# Altium PCB Copy of drac_v3.PcbDoc (part 3 of 5)
Units mm, origin at the board's own origin, x right, y up, seen from the top; angles counter-clockwise.
Board outline 160 x 214.5 mm, 6 copper layers (Top Layer, Mid Layer 1, Mid Layer 2, Mid Layer 3, Mid Layer 4, Bottom Layer), stack 1.597 mm thick; 433 components, 257 nets, 1445 pads, 774 vias.
Unrouted connection lines stored in the file: 474.
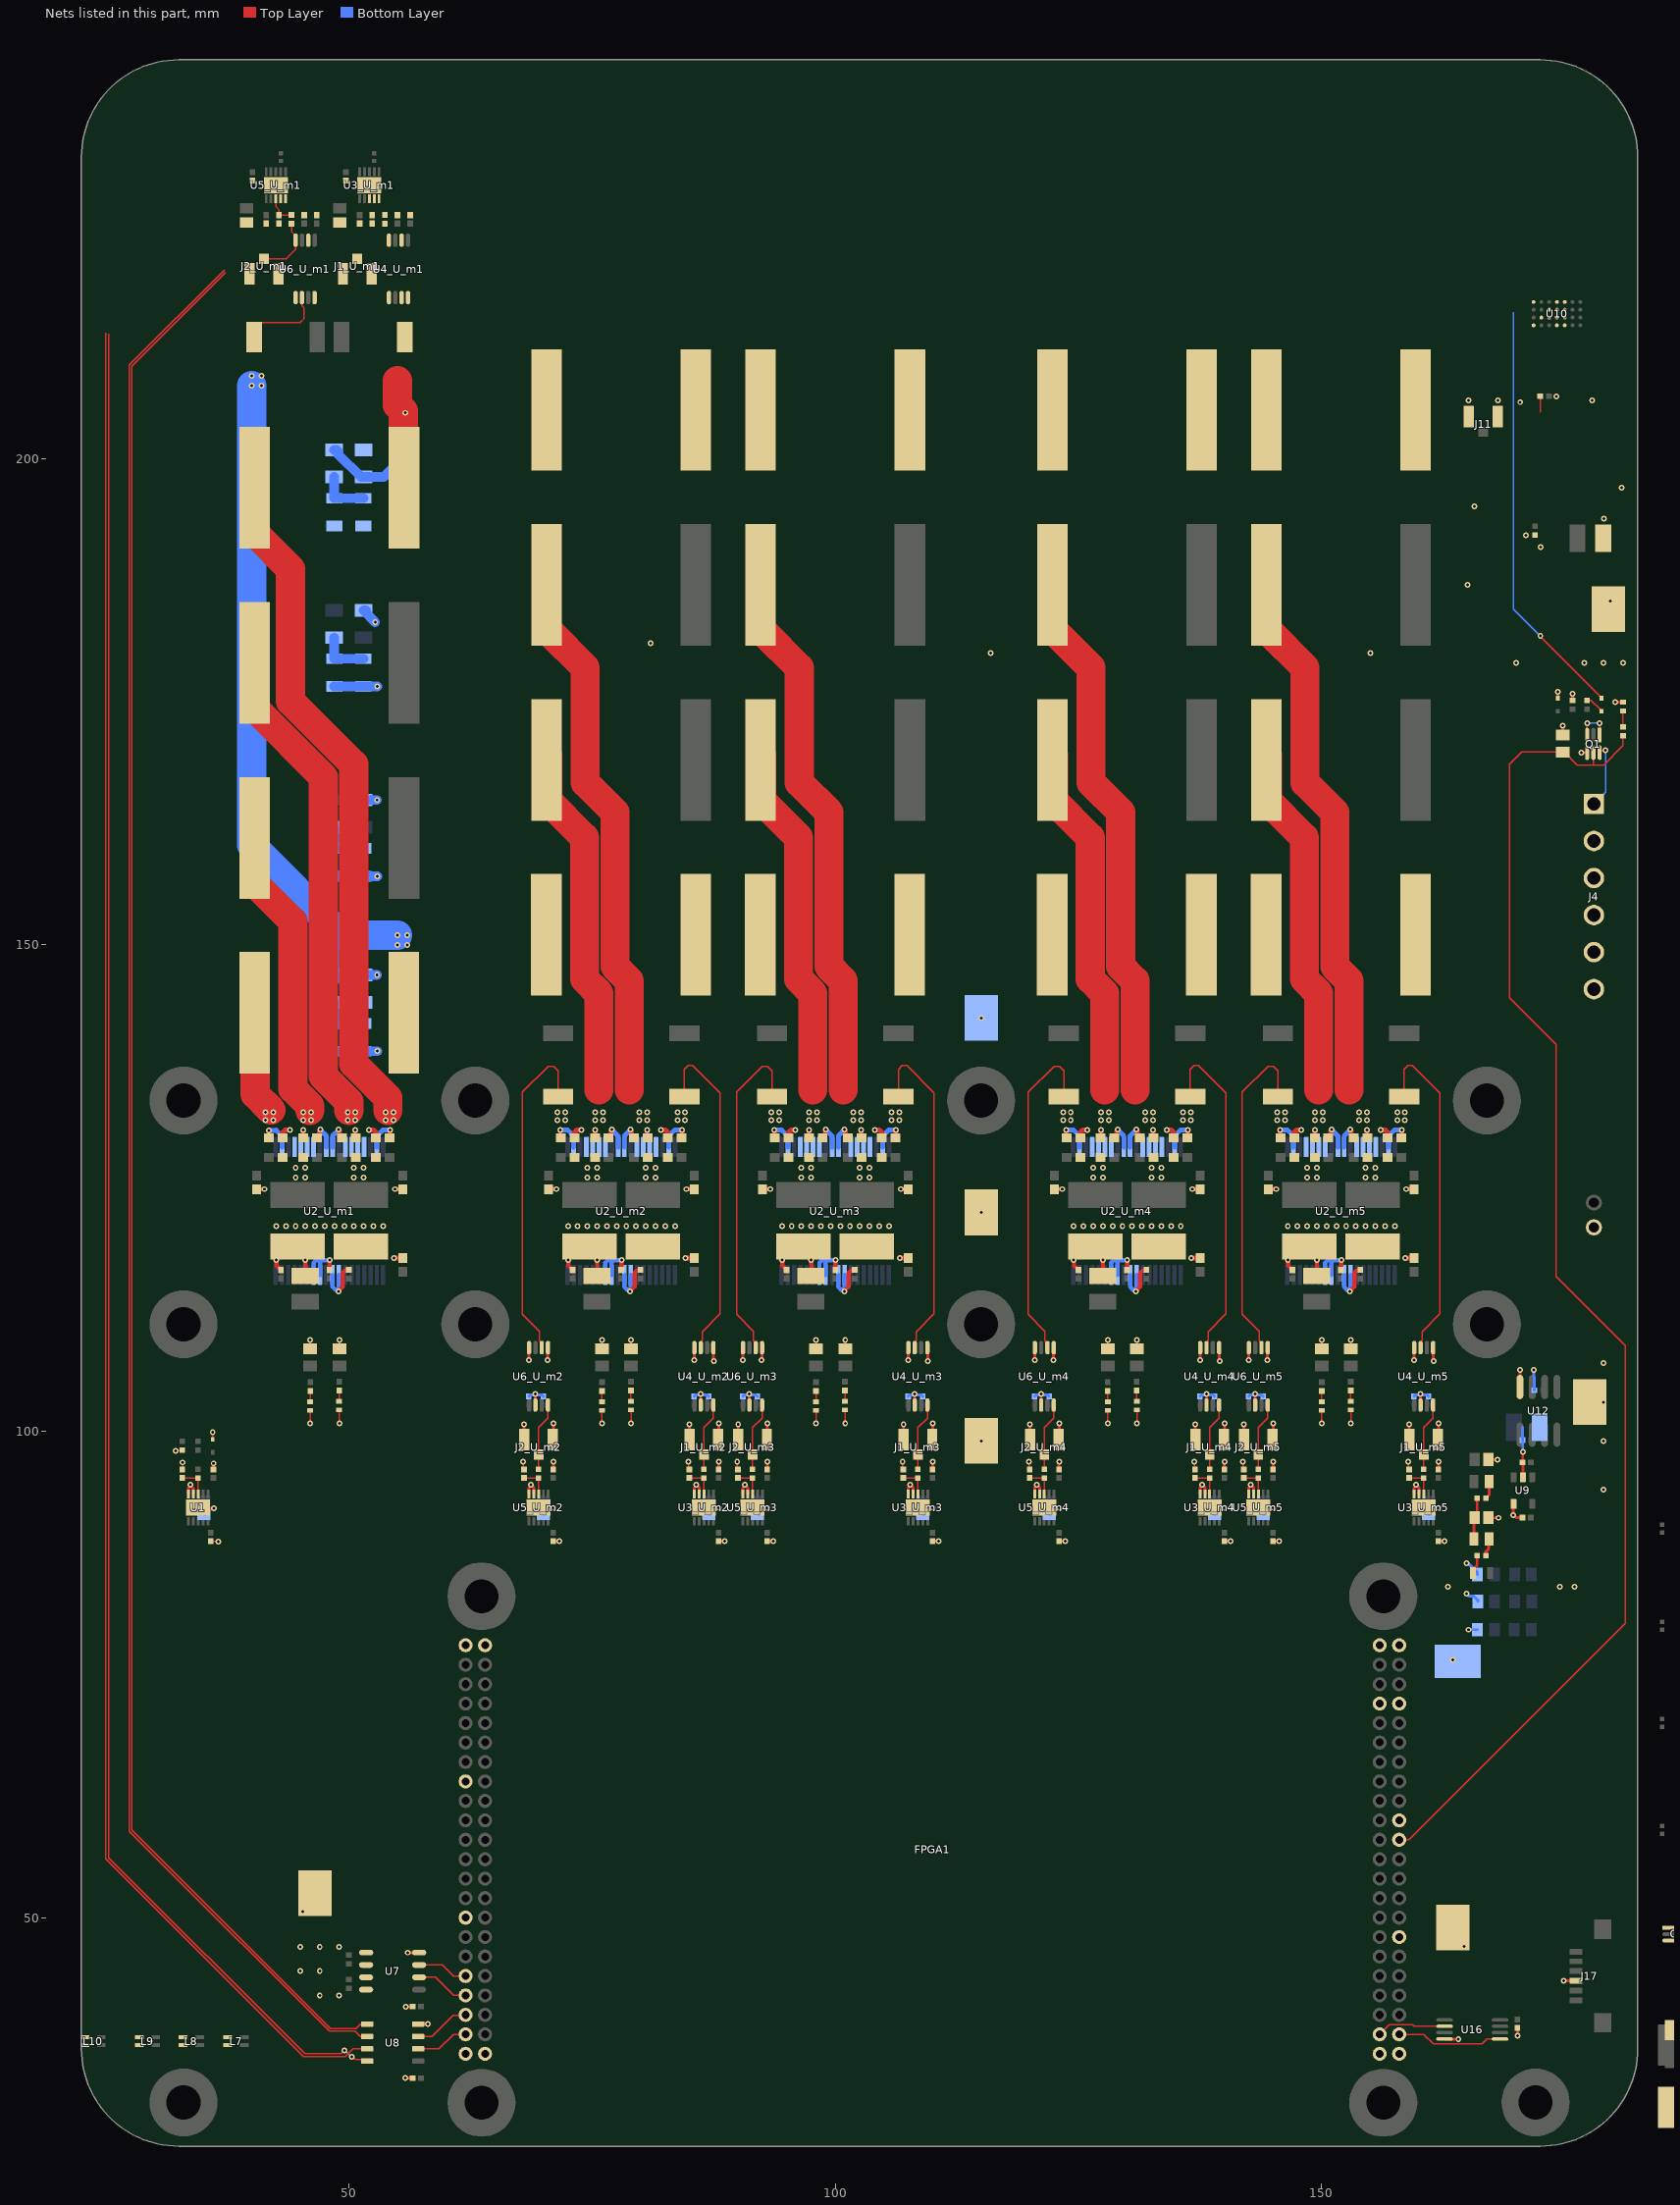
[diagram p5: the nets of this part, all layers, seen from the top]

## Via types
v1: diameter 0.6, hole 0.3, Top Layer to Bottom Layer, 774 vias

## Nets (pads, with @x,y where several pads share a name; then routed paths per layer and width w, separated by ;. In a path a pad name is that pad's centre, name@x,y a point inside that pad or via, vN(x,y) a via of type N, cw(c..) or ccw(c..) an arc to the next point about the centre after c; other vN are vias at no path point) (continued)
GND: C1.2 C2.2 C3.2 C4.2 C9_U_m1.2 C9_U_m2.2 C9_U_m3.2 C9_U_m4.2 C9_U_m5.2 C10_U_m1.2 C10_U_m2.2 C10_U_m3.2 C10_U_m4.2 C10_U_m5.2 C11_U_m1.2 C11_U_m2.2 C11_U_m3.2 C11_U_m4.2 C11_U_m5.2 C12_U_m1.2 C12_U_m2.2 C12_U_m3.2 C12_U_m4.2 C12_U_m5.2 C13_U_m1.2 C13_U_m2.2 C13_U_m3.2 C13_U_m4.2 C13_U_m5.2 C14_U_m1.2 C14_U_m2.2 C14_U_m3.2 C14_U_m4.2 C14_U_m5.2 C15_U_m1.2 C15_U_m2.2 C15_U_m3.2 C15_U_m4.2 C15_U_m5.2 C16_U_m1.2 C16_U_m2.2 C16_U_m3.2 C16_U_m4.2 C16_U_m5.2 C17_U_m1.2 C17_U_m2.2 C17_U_m3.2 C17_U_m4.2 C17_U_m5.2 C18_U_m1.2 C18_U_m2.2 C18_U_m3.2 C18_U_m4.2 C18_U_m5.2 C19_U_m1.2 C19_U_m2.2 C19_U_m3.2 C19_U_m4.2 C19_U_m5.2 C20_U_m1.2 C20_U_m2.2 C20_U_m3.2 C20_U_m4.2 C20_U_m5.2 C21_U_m1.2 C21_U_m2.2 C21_U_m3.2 C21_U_m4.2 C21_U_m5.2 C22_U_m1.2 C22_U_m2.2 C22_U_m3.2 C22_U_m4.2 C22_U_m5.2 C23_U_m1.2 C23_U_m2.2 C23_U_m3.2 C23_U_m4.2 C23_U_m5.2 C24_U_m1.2 C24_U_m2.2 C24_U_m3.2 C24_U_m4.2 C24_U_m5.2 C25_U_m1.2 C25_U_m2.2 C25_U_m3.2 C25_U_m4.2 C25_U_m5.2 C26_U_m1.2 C26_U_m2.2 C26_U_m3.2 C26_U_m4.2 C26_U_m5.2 C27.2 C28_U_m1.1 C28_U_m2.1 C28_U_m3.1 C28_U_m4.1 C28_U_m5.1 C29_U_m1.2 C29_U_m2.2 C29_U_m3.2 C29_U_m4.2 C29_U_m5.2 C30_U_m1.2 C30_U_m2.2 C30_U_m3.2 C30_U_m4.2 C30_U_m5.2 C31_U_m1.2 C31_U_m2.2 C31_U_m3.2 C31_U_m4.2 C31_U_m5.2 C32_U_m1.2 C32_U_m2.2 C32_U_m3.2 C32_U_m4.2 C32_U_m5.2 C33_U_m1.2 C33_U_m2.2 C33_U_m3.2 C33_U_m4.2 C33_U_m5.2 C34_U_m1.2 C34_U_m2.2 C34_U_m3.2 C34_U_m4.2 C34_U_m5.2 C35.1 C36.1 C37.2 C38.2 C39_U_m1.1 C39_U_m2.1 C39_U_m3.1 C39_U_m4.1 C39_U_m5.1 C40.1 C41.1 C42_U_m1.1 C42_U_m2.1 C42_U_m3.1 C42_U_m4.1 C42_U_m5.1 C43_U_m1.1 C43_U_m2.1 C43_U_m3.1 C43_U_m4.1 C43_U_m5.1 C47.1 C49.1 C50.2 C53.2 D1_U_m1.2 D1_U_m2.2 D1_U_m3.2 D1_U_m4.2 D1_U_m5.2 D2_U_m1.2 D2_U_m2.2 D2_U_m3.2 D2_U_m4.2 D2_U_m5.2 D3.2 D5.2 D6.2 D9.2 D10.2 D12.1 D13.1 D14.1 D15.1 FPGA1.1 FPGA1.2 FPGA1.14 FPGA1.26 FPGA1.37 FPGA1.38 FPGA1.43 FPGA1.44 FPGA1.45 FPGA1.46 FPGA1.59 FPGA1.73 FPGA1.87 FPGA1.88 J1_U_m1.1 J1_U_m1.3 J1_U_m2.1 J1_U_m2.3 J1_U_m3.1 J1_U_m3.3 J1_U_m4.1 J1_U_m4.3 J1_U_m5.1 J1_U_m5.3 J2_U_m1.1 J2_U_m1.3 J2_U_m2.1 J2_U_m2.3 J2_U_m3.1 J2_U_m3.3 J2_U_m4.1 J2_U_m4.3 J2_U_m5.1 J2_U_m5.3 J3.M1 J3.M2 J4.2 J4.3 J4.4 J5.2 J6.1 J6.3 J7.1 J7.3 J8.1 J8.3 J9.1 J9.3 J10.1 J10.3 J11.1 J11.3 J16.26 J16.M1 J16.M2 J17.3 P1.4 P1.9 Q1.4 Q2.1 Q3.4 R4_U_m1.2 R4_U_m2.2 R4_U_m3.2 R4_U_m4.2 R4_U_m5.2 R5_U_m1.1 R5_U_m2.1 R5_U_m3.1 R5_U_m4.1 R5_U_m5.1 R6_U_m1.1 R6_U_m2.1 R6_U_m3.1 R6_U_m4.1 R6_U_m5.1 R16.1 R17_U_m1.2 R17_U_m2.2 R17_U_m3.2 R17_U_m4.2 R17_U_m5.2 R18_U_m1.2 R18_U_m2.2 R18_U_m3.2 R18_U_m4.2 R18_U_m5.2 R19_U_m1.2 R19_U_m2.2 R19_U_m3.2 R19_U_m4.2 R19_U_m5.2 R20_U_m1.2 R20_U_m2.2 R20_U_m3.2 R20_U_m4.2 R20_U_m5.2 R21.1 R22.2 R24_U_m1.2 R24_U_m2.2 R24_U_m3.2 R24_U_m4.2 R24_U_m5.2 R25_U_m1.2 R25_U_m2.2 R25_U_m3.2 R25_U_m4.2 R25_U_m5.2 R26_U_m1.2 R26_U_m2.2 R26_U_m3.2 R26_U_m4.2 R26_U_m5.2 R27_U_m1.2 R27_U_m2.2 R27_U_m3.2 R27_U_m4.2 R27_U_m5.2 R29.1 R30.1 R34.1 R35.1 R36.1 R38.1 TP1.1 TP2.1 TP3.1 TP4.1 TP5.1 TP6.1 TP7.1 TP8.1 TP9.1 U1.4 U1.5 U1.11 U2_U_m1.8 U2_U_m1.9 U2_U_m1.11 U2_U_m1.12 U2_U_m1.23 U2_U_m1.24 U2_U_m1.31 U2_U_m1.32 U2_U_m2.8 U2_U_m2.9 U2_U_m2.11 U2_U_m2.12 U2_U_m2.23 U2_U_m2.24 U2_U_m2.31 U2_U_m2.32 U2_U_m3.8 U2_U_m3.9 U2_U_m3.11 U2_U_m3.12 U2_U_m3.23 U2_U_m3.24 U2_U_m3.31 U2_U_m3.32 U2_U_m4.8 U2_U_m4.9 U2_U_m4.11 U2_U_m4.12 U2_U_m4.23 U2_U_m4.24 U2_U_m4.31 U2_U_m4.32 U2_U_m5.8 U2_U_m5.9 U2_U_m5.11 U2_U_m5.12 U2_U_m5.23 U2_U_m5.24 U2_U_m5.31 U2_U_m5.32 U3_U_m1.4 U3_U_m1.5 U3_U_m1.11 U3_U_m2.4 U3_U_m2.5 U3_U_m2.11 U3_U_m3.4 U3_U_m3.5 U3_U_m3.11 U3_U_m4.4 U3_U_m4.5 U3_U_m4.11 U3_U_m5.4 U3_U_m5.5 U3_U_m5.11 U4_U_m1.1 U4_U_m1.4 U4_U_m1.6 U4_U_m2.1 U4_U_m2.4 U4_U_m2.6 U4_U_m3.1 U4_U_m3.4 U4_U_m3.6 U4_U_m4.1 U4_U_m4.4 U4_U_m4.6 U4_U_m5.1 U4_U_m5.4 U4_U_m5.6 U5_U_m1.4 U5_U_m1.5 U5_U_m1.11 U5_U_m2.4 U5_U_m2.5 U5_U_m2.11 U5_U_m3.4 U5_U_m3.5 U5_U_m3.11 U5_U_m4.4 U5_U_m4.5 U5_U_m4.11 U5_U_m5.4 U5_U_m5.5 U5_U_m5.11 U6_U_m1.1 U6_U_m1.4 U6_U_m1.6 U6_U_m2.1 U6_U_m2.4 U6_U_m2.6 U6_U_m3.1 U6_U_m3.4 U6_U_m3.6 U6_U_m4.1 U6_U_m4.4 U6_U_m4.6 U6_U_m5.1 U6_U_m5.4 U6_U_m5.6 U7.4 U8.4 U9.2 U9.4 U10.A1 U10.A4 U10.B2 U10.C2 U10.C3 U10.D1 U10.D2 U10.D3 U10.D4 U10.E1 U10.E2 U10.E3 U10.E4 U12.4 U15.3 U16.4 | length 319.4
  Top Layer w0.127: 172.474,204.799 172.479,204.804 R21.1@172.479,206.407
  Top Layer w0.147: J10.3@14.341,87.855 14.358,87.871 v1(14.358,89.477) ; J9.3@14.341,93.855 14.358,93.871 v1(14.358,95.477) ; J8.3@14.341,99.855 14.358,99.871 v1(14.358,101.477) ; J7.3@14.341,116.355 14.358,116.371 v1(14.358,117.977) ; J6.3@14.341,122.355 14.358,122.371 v1(14.358,123.977) ; J10.1@17.291,87.855 17.358,87.921 v1(17.358,89.477) ; J9.1@17.291,93.855 17.358,93.921 v1(17.358,95.477) ; J8.1@17.291,99.855 17.358,99.921 v1(17.358,101.477) ; J7.1@17.291,116.355 17.358,116.421 v1(17.358,117.977) ; J6.1@17.291,122.355 17.358,122.421 v1(17.358,123.977) ; v1(32.2,98) 32.819,98 R16.1@32.866,98.048 ; C3.2@32.866,96.077 32.9,96.11 v1(32.9,96.8) ; C1.2@35.8,88.702 35.827,88.675 v1(36.575,88.675) ; D9.2@36,99.16 v1(36,99.9) ; v1(46.025,100.798) D2_U_m1.2@46.025,102.148 ; R6_U_m1.1@46.025,108.474 v1(46.025,109.398) ; D1_U_m1.2@49,102.198 49.025,102.173 v1(49.025,100.798) ; R5_U_m1.1@49.025,108.474 v1(49.025,109.398) ; v1(67.925,96.898) 67.925,96.152 C32_U_m2.2@68,96.077 ; v1(76.025,100.798) D2_U_m2.2@76.025,102.148 ; R6_U_m2.1@76.025,108.474 v1(76.025,109.398) ; D1_U_m2.2@79,102.198 79.025,102.173 v1(79.025,100.798) ; R5_U_m2.1@79.025,108.474 v1(79.025,109.398) ; v1(84.925,96.898) 84.925,96.152 C13_U_m2.2@85,96.077 ; v1(89.925,96.898) 89.925,96.152 C32_U_m3.2@90,96.077 ; v1(98.025,100.798) D2_U_m3.2@98.025,102.148 ; R6_U_m3.1@98.025,108.474 v1(98.025,109.398) ; D1_U_m3.2@101,102.198 101.025,102.173 v1(101.025,100.798) ; R5_U_m3.1@101.025,108.474 v1(101.025,109.398) ; v1(106.925,96.898) 106.925,96.152 C13_U_m3.2@107,96.077 ; v1(119.925,96.898) 119.925,96.152 C32_U_m4.2@120,96.077 ; v1(128.025,100.798) D2_U_m4.2@128.025,102.148 ; R6_U_m4.1@128.025,108.474 v1(128.025,109.398) ; D1_U_m4.2@131,102.198 131.025,102.173 v1(131.025,100.798) ; R5_U_m4.1@131.025,108.474 v1(131.025,109.398) ; v1(136.925,96.898) 136.925,96.152 C13_U_m4.2@137,96.077 ; v1(141.925,96.898) 141.925,96.152 C32_U_m5.2@142,96.077 ; v1(150.025,100.798) D2_U_m5.2@150.025,102.148 ; R6_U_m5.1@150.025,108.474 v1(150.025,109.398) ; D1_U_m5.2@153,102.198 153.025,102.173 v1(153.025,100.798) ; R5_U_m5.1@153.025,108.474 v1(153.025,109.398) ; v1(158.925,96.898) 158.925,96.152 C13_U_m5.2@159,96.077
  Top Layer w0.3: U1.5@33.5,93.551 33.5,94.219 ; v1(33.7,94.5) 33.7,94.419 34,94.119 U1.4@34,93.551 ; U1.11@34.5,92.148 34.561,92.087 v1(36.117,92.087) ; C2.2@36.072,96.077 36.086,96.091 36.086,96.686 v1(36.1,96.7) ; v1(55.8,33.5) C36.1@56.571,33.5 ; v1(55.843,40.843) C35.1@56.571,40.843 ; v1(56.045,46.405) U7.4@57.225,46.405 ; U8.4@57.125,39.048 v1(58.127,39.048) ; J2_U_m2.1@68.025,99.148 v1(68.025,100.698) ; U5_U_m2.5@68.5,93.551 68.5,94.192 68.725,94.417 v1(68.725,94.498) 69,94.223 U5_U_m2.4@69,93.551 ; v1(68.525,107.298) U6_U_m2.4@68.525,108.598 ; v1(69.172,103.851) 69.173,103.85 69.173,102.7 U6_U_m2.6@69.175,102.698 ; U5_U_m2.11@69.5,92.148 69.533,92.115 v1(71.037,92.115) ; v1(70.425,107.298) 70.45,107.323 70.45,108.573 U6_U_m2.1@70.475,108.598 ; J2_U_m2.3@70.975,99.148 71.025,99.198 v1(71.025,100.798) ; C30_U_m2.2@71,88.702 71.002,88.7 71.623,88.7 v1(71.625,88.698) ; C31_U_m2.2@71,96.077 71.012,96.089 71.012,96.886 v1(71.025,96.898) ; J1_U_m2.1@85.025,99.148 v1(85.025,100.698) ; U3_U_m2.5@85.5,93.551 85.5,94.192 85.725,94.417 v1(85.725,94.498) 86,94.223 U3_U_m2.4@86,93.551 ; v1(85.525,107.298) U4_U_m2.4@85.525,108.598 ; v1(86.172,103.851) 86.173,103.85 86.173,102.7 U4_U_m2.6@86.175,102.698 ; U3_U_m2.11@86.5,92.148 86.526,92.123 v1(88.042,92.123) ; U4_U_m2.1@87.475,108.598 87.5,108.573 87.5,107.223 v1(87.525,107.198) ; J1_U_m2.3@87.975,99.148 88.025,99.198 v1(88.025,100.798) ; C11_U_m2.2@88,88.702 88.002,88.7 88.623,88.7 v1(88.625,88.698) ; C12_U_m2.2@88,96.077 88.012,96.089 88.012,96.886 v1(88.025,96.898) ; J2_U_m3.1@90.025,99.148 v1(90.025,100.698) ; U5_U_m3.5@90.5,93.551 90.5,94.192 90.725,94.417 v1(90.725,94.498) 91,94.223 U5_U_m3.4@91,93.551 ; v1(90.525,107.298) U6_U_m3.4@90.525,108.598 ; v1(91.172,103.851) 91.173,103.85 91.173,102.7 U6_U_m3.6@91.175,102.698 ; U5_U_m3.11@91.5,92.148 91.533,92.115 v1(93.037,92.115) ; v1(92.425,107.298) 92.45,107.323 92.45,108.573 U6_U_m3.1@92.475,108.598 ; J2_U_m3.3@92.975,99.148 93.025,99.198 v1(93.025,100.798) ; C30_U_m3.2@93,88.702 93.002,88.7 v1(93.625,88.698) v1(93.625,88.698) ; C31_U_m3.2@93,96.077 93.013,96.089 93.013,96.886 v1(93.025,96.898) ; J1_U_m3.1@107.025,99.148 v1(107.025,100.698) ; U3_U_m3.5@107.5,93.551 107.5,94.192 107.725,94.417 v1(107.725,94.498) 108,94.223 U3_U_m3.4@108,93.551 ; v1(107.525,107.298) U4_U_m3.4@107.525,108.598 ; v1(108.172,103.851) 108.173,103.85 108.173,102.7 U4_U_m3.6@108.175,102.698 ; U3_U_m3.11@108.5,92.148 108.526,92.123 v1(110.042,92.123) ; U4_U_m3.1@109.475,108.598 109.5,108.573 109.5,107.223 v1(109.525,107.198) ; J1_U_m3.3@109.975,99.148 110.025,99.198 v1(110.025,100.798) ; C11_U_m3.2@110,88.702 110.002,88.7 110.623,88.7 v1(110.625,88.698) ; C12_U_m3.2@110,96.077 110.013,96.089 110.013,96.886 v1(110.025,96.898) ; J2_U_m4.1@120.025,99.148 v1(120.025,100.698) ; U5_U_m4.5@120.5,93.551 120.5,94.192 120.725,94.417 v1(120.725,94.498) 121,94.223 U5_U_m4.4@121,93.551 ; v1(120.525,107.298) U6_U_m4.4@120.525,108.598 ; v1(121.172,103.851) 121.173,103.85 121.173,102.7 U6_U_m4.6@121.175,102.698 ; U5_U_m4.11@121.5,92.148 121.533,92.115 v1(123.037,92.115) ; v1(122.425,107.298) 122.45,107.323 122.45,108.573 U6_U_m4.1@122.475,108.598 ; J2_U_m4.3@122.975,99.148 123.025,99.198 v1(123.025,100.798) ; C30_U_m4.2@123,88.702 123.002,88.7 v1(123.625,88.698) v1(123.625,88.698) ; C31_U_m4.2@123,96.077 123.012,96.089 123.012,96.886 v1(123.025,96.898) ; J1_U_m4.1@137.025,99.148 v1(137.025,100.698) ; U3_U_m4.5@137.5,93.551 137.5,94.192 137.725,94.417 v1(137.725,94.498) 138,94.223 U3_U_m4.4@138,93.551 ; v1(137.525,107.298) U4_U_m4.4@137.525,108.598 ; v1(138.172,103.851) 138.173,103.85 138.173,102.7 U4_U_m4.6@138.175,102.698 ; U3_U_m4.11@138.5,92.148 138.526,92.123 v1(140.042,92.123) ; U4_U_m4.1@139.475,108.598 139.5,108.573 139.5,107.223 v1(139.525,107.198) ; J1_U_m4.3@139.975,99.148 140.025,99.198 v1(140.025,100.798) ; C11_U_m4.2@140,88.702 140.002,88.7 140.623,88.7 v1(140.625,88.698) ; C12_U_m4.2@140,96.077 140.012,96.089 140.012,96.886 v1(140.025,96.898) ; J2_U_m5.1@142.025,99.148 v1(142.025,100.698) ; U5_U_m5.5@142.5,93.551 142.5,94.192 142.725,94.417 v1(142.725,94.498) 143,94.223 U5_U_m5.4@143,93.551 ; v1(142.525,107.298) U6_U_m5.4@142.525,108.598 ; v1(143.172,103.851) v1(143.172,103.851) 143.173,102.7 U6_U_m5.6@143.175,102.698 ; U5_U_m5.11@143.5,92.148 143.533,92.115 v1(145.037,92.115) ; v1(144.425,107.298) 144.45,107.323 144.45,108.573 U6_U_m5.1@144.475,108.598 ; J2_U_m5.3@144.975,99.148 145.025,99.198 v1(145.025,100.798) ; C30_U_m5.2@145,88.702 145.002,88.7 145.623,88.7 v1(145.625,88.698) ; C31_U_m5.2@145,96.077 145.013,96.089 145.013,96.886 v1(145.025,96.898) ; J1_U_m5.1@159.025,99.148 v1(159.025,100.698) ; U3_U_m5.5@159.5,93.551 159.5,94.192 159.725,94.417 v1(159.725,94.498) 160,94.223 U3_U_m5.4@160,93.551 ; v1(159.525,107.298) U4_U_m5.4@159.525,108.598 ; v1(160.172,103.851) v1(160.172,103.851) 160.173,102.7 U4_U_m5.6@160.175,102.698 ; U3_U_m5.11@160.5,92.148 160.526,92.123 v1(162.042,92.123) ; U4_U_m5.1@161.475,108.598 161.5,108.573 161.5,107.223 v1(161.525,107.198) ; J1_U_m5.3@161.975,99.148 162.025,99.198 v1(162.025,100.798) ; C11_U_m5.2@162,88.702 162.002,88.7 162.623,88.7 v1(162.625,88.698) ; C12_U_m5.2@162,96.077 162.013,96.089 162.013,96.886 v1(162.025,96.898) ; U16.4@162.65,37.525 v1(164.075,37.525) ; v1@165.075,79.575 v1(165.1,79.6) ; C37.2@167.173,91.125 167.198,91.1 v1(168.2,91.1) ; C38.2@167.173,97.124 167.196,97.1 v1(168.1,97.1) ; v1(167.8,293.2) 167.994,293.006 167.994,292.606 168.05,292.55 Q2.1@168.599,292.55 ; U9.4@169.75,92.525 169.725,92.5 169.725,91.425 v1(169.7,91.4) 169.737,91.4 170.014,91.123 C41.1@170.671,91.123 ; v1(170.133,37.867) C53.2@170.133,38.664 ; R30.1@170.376,296.081 v1(171.344,296.081) ; U12.4@170.395,104.55 170.397,104.552 170.397,106.297 v1(170.4,106.3) ; C40.1@170.671,96.8 170.686,96.814 170.686,97.886 v1(170.7,97.9) ; U9.2@170.7,95.275 170.71,95.285 C40.1@170.71,96.8 ; D10.2@174.3,175.36 v1(174.3,176) ; R29.1@174.8,171.576 v1(174.8,172.525) ; v1(174.9,43.5) J17.3@176.15,43.5 ; R38.1@175.8,175.152 v1(175.8,175.8) ; v1(176.716,169.766) Q1.4@177.3,169.766 ; U15.3@179.35,296.67 v1(179.35,297.5) ; v1(180.2,174.95) D3.2@181,174.95
  Top Layer w0.45: v1(42.525,117.598) 42.554,117.569 42.554,117.044 43,116.598 C19_U_m1.2@43,116.577 ; C18_U_m1.2@45.5,115.973 45.525,115.998 v1(45.525,117.598) ; C9_U_m1.2@48,116.577 48.012,116.589 48.012,117.586 v1(48.025,117.598) ; v1@48.925,114.44 49.362,114.877 49.362,116.278 49.625,116.541 49.941,116.541 R4_U_m1.2@50,116.6 ; v1(72.525,117.598) 72.554,117.569 72.554,117.044 73,116.598 C19_U_m2.2@73,116.577 ; C18_U_m2.2@75.5,115.973 75.525,115.998 v1(75.525,117.598) ; C9_U_m2.2@78,116.577 78.012,116.589 78.012,117.586 v1(78.025,117.598) ; v1@78.925,114.44 79.362,114.877 79.362,116.278 79.625,116.541 79.941,116.541 R4_U_m2.2@80,116.6 ; v1(94.525,117.598) 94.554,117.569 94.554,117.044 95,116.598 C19_U_m3.2@95,116.577 ; C18_U_m3.2@97.5,115.973 97.525,115.998 v1(97.525,117.598) ; C9_U_m3.2@100,116.577 100.013,116.589 100.013,117.586 v1(100.025,117.598) ; v1@100.925,114.44 101.362,114.877 101.362,116.278 101.625,116.541 101.941,116.541 R4_U_m3.2@102,116.6 ; v1(124.525,117.598) 124.554,117.569 124.554,117.044 125,116.598 C19_U_m4.2@125,116.577 ; C18_U_m4.2@127.5,115.973 127.525,115.998 v1(127.525,117.598) ; C9_U_m4.2@130,116.577 130.012,116.589 130.012,117.586 v1(130.025,117.598) ; v1@130.925,114.44 131.362,114.877 131.362,116.278 131.625,116.541 131.941,116.541 R4_U_m4.2@132,116.6 ; v1(146.525,117.598) 146.554,117.569 146.554,117.044 147,116.598 C19_U_m5.2@147,116.577 ; C18_U_m5.2@149.5,115.973 149.525,115.998 v1(149.525,117.598) ; C9_U_m5.2@152,116.577 152.013,116.589 152.013,117.586 v1(152.025,117.598) ; v1@152.925,114.44 153.362,114.877 153.362,116.278 153.625,116.541 153.941,116.541 R4_U_m5.2@154,116.6
  Top Layer w0.5: C15_U_m1.2@40.525,124.896 C15_U_m1.2@40.525,124.896 41.324,124.897 v1(41.325,124.898) ; v1(54.625,117.798) 54.626,117.799 C17_U_m1.2@55.525,117.8 C17_U_m1.2@55.525,117.8 ; v1(54.726,124.897) C16_U_m1.2@55.525,124.896 ; C15_U_m2.2@70.525,124.896 C15_U_m2.2@70.525,124.896 71.324,124.897 v1(71.325,124.898) ; v1(84.625,117.798) 84.626,117.799 C17_U_m2.2@85.525,117.8 C17_U_m2.2@85.525,117.8 ; v1(84.726,124.897) C16_U_m2.2@85.525,124.896 C16_U_m2.2@85.525,124.896 ; C15_U_m3.2@92.525,124.896 92.526,124.897 v1(93.325,124.898) v1(93.325,124.898) ; v1(106.625,117.798) 106.626,117.799 107.524,117.799 C17_U_m3.2@107.525,117.8 ; v1(106.726,124.897) C16_U_m3.2@107.524,124.897 ; C15_U_m4.2@122.525,124.896 122.526,124.897 v1(123.325,124.898) v1(123.325,124.898) ; v1(136.625,117.798) 136.626,117.799 137.524,117.799 C17_U_m4.2@137.525,117.8 ; v1(136.726,124.897) C16_U_m4.2@137.524,124.897 ; C15_U_m5.2@144.525,124.896 C15_U_m5.2@144.525,124.896 145.324,124.897 v1(145.325,124.898) ; v1(158.625,117.798) 158.626,117.799 C17_U_m5.2@159.525,117.8 C17_U_m5.2@159.525,117.8 ; v1(158.726,124.897) C16_U_m5.2@159.525,124.896 ; C16_U_m1.2@55.525,124.896 C16_U_m1.2@55.525,124.896 ; C16_U_m3.2@107.524,124.897 C16_U_m3.2@107.525,124.896 ; C16_U_m4.2@137.524,124.897 C16_U_m4.2@137.525,124.896 ; C16_U_m5.2@159.525,124.896 C16_U_m5.2@159.525,124.896
  Bottom Layer w0.147: v1(143,316.2) D12.1@143,317.265 ; D13.1@152.858,317.265 152.9,317.223 v1(152.9,316.2) ; D14.1@158.085,317.265 158.1,317.25 v1(158.1,316.2) ; v1(163,316.2) D15.1@163,317.265
  Bottom Layer w0.3: C4.2@35.1,91.422 35.251,91.422 35.858,92.03 36.06,92.03 v1(36.117,92.087) ; v1@56,46.45 v1(56.045,46.405) ; v1(58.127,39.048) v1@58.15,39.025 ; C29_U_m2.2@68.5,103.577 68.5,103.598 68.636,103.734 68.974,103.734 69.091,103.851 v1(69.172,103.851) 69.253,103.851 69.37,103.734 69.864,103.734 70,103.598 C34_U_m2.2@70,103.577 ; C33_U_m2.2@70,91.422 70.151,91.422 70.786,92.058 70.98,92.058 v1(71.037,92.115) ; C10_U_m2.2@85.5,103.577 85.5,103.598 85.636,103.734 85.974,103.734 86.091,103.851 v1(86.172,103.851) 86.253,103.851 86.37,103.734 86.864,103.734 87,103.598 C20_U_m2.2@87,103.577 ; C14_U_m2.2@87,91.422 87.151,91.422 87.794,92.065 87.984,92.065 v1(88.042,92.123) ; C29_U_m3.2@90.5,103.577 90.5,103.598 90.636,103.734 90.974,103.734 91.091,103.851 v1(91.172,103.851) 91.253,103.851 91.37,103.734 91.864,103.734 92,103.598 C34_U_m3.2@92,103.577 ; C33_U_m3.2@92,91.422 92.151,91.422 92.786,92.058 92.98,92.058 v1(93.037,92.115) ; C10_U_m3.2@107.5,103.577 107.5,103.598 107.636,103.734 107.974,103.734 108.091,103.851 v1(108.172,103.851) 108.253,103.851 108.37,103.734 108.864,103.734 109,103.598 C20_U_m3.2@109,103.577 ; C14_U_m3.2@109,91.422 109.151,91.422 109.794,92.065 109.984,92.065 v1(110.042,92.123) ; C29_U_m4.2@120.5,103.577 120.5,103.598 120.636,103.734 120.974,103.734 121.091,103.851 v1(121.172,103.851) 121.253,103.851 121.37,103.734 121.864,103.734 122,103.598 C34_U_m4.2@122,103.577 ; C33_U_m4.2@122,91.422 122.151,91.422 122.786,92.058 122.98,92.058 v1(123.037,92.115) ; C10_U_m4.2@137.5,103.577 137.5,103.598 137.636,103.734 137.974,103.734 138.091,103.851 v1(138.172,103.851) 138.253,103.851 138.37,103.734 138.864,103.734 139,103.598 C20_U_m4.2@139,103.577 ; C14_U_m4.2@139,91.422 139.151,91.422 139.794,92.065 139.984,92.065 v1(140.042,92.123) ; C29_U_m5.2@142.5,103.577 142.5,103.598 142.636,103.734 142.974,103.734 143.091,103.851 v1(143.172,103.851) 143.253,103.851 143.37,103.734 143.864,103.734 144,103.598 C34_U_m5.2@144,103.577 ; C33_U_m5.2@144,91.422 144.151,91.422 144.786,92.058 144.98,92.058 v1(145.037,92.115) ; C10_U_m5.2@159.5,103.577 159.5,103.598 159.636,103.734 159.974,103.734 160.091,103.851 v1(160.172,103.851) 160.253,103.851 160.37,103.734 160.864,103.734 161,103.598 C20_U_m5.2@161,103.577 ; C14_U_m5.2@161,91.422 161.151,91.422 161.794,92.065 161.984,92.065 v1(162.042,92.123) ; v1(164.075,37.525) v1@164.1,37.5 ; v1(164.9,83.3) 165.146,83.054 165.652,83.054 166.055,82.651 R34.1@166.055,82.5 ; v1(164.925,86.45) 165.024,86.45 166.033,85.441 R35.1@166.033,85.29 ; v1(165.1,79.6) R36.1@166.024,79.6 ; v1@167.775,293.2 v1(167.8,293.2) ; v1(170.133,37.867) v1@170.25,37.75 ; 170.671,100.4 C49.1@170.671,99.098 170.686,99.084 170.686,97.914 v1(170.7,97.9) ; v1(171.344,296.081) v1@171.375,296.05 ; v1(171.8,106.3) 171.836,106.264 171.836,105.636 171.871,105.6 C47.1@171.871,104.2 ; v1(174.8,172.525) v1@174.825,172.55 ; v1@175.775,175.825 v1(175.8,175.8) ; v1@176.7,169.75 v1(176.716,169.766) ; v1(179.35,297.5) v1@179.425,297.575
  Bottom Layer w0.45: U2_U_m1.12@46.375,116.073 46.375,117.335 46.639,117.598 47.025,117.598 ; U2_U_m1.11@47.025,116.073 47.025,117.598 ; v1(48.025,117.598) 47.025,117.598 ; U2_U_m1.9@48.325,116.073 48.325,114.837 48.589,114.573 48.709,114.573 48.884,114.398 v1(48.925,114.398) 48.925,114.439 48.975,114.489 U2_U_m1.8@48.975,116.073 ; U2_U_m2.12@76.375,116.073 76.375,117.335 76.639,117.598 77.025,117.598 ; U2_U_m2.11@77.025,116.073 77.025,117.598 ; v1(78.025,117.598) 77.025,117.598 ; U2_U_m2.9@78.325,116.073 78.325,114.837 78.589,114.573 78.709,114.573 78.884,114.398 v1(78.925,114.398) 78.925,114.439 78.975,114.489 U2_U_m2.8@78.975,116.073 ; U2_U_m3.12@98.375,116.073 98.375,117.335 98.639,117.598 99.025,117.598 ; U2_U_m3.11@99.025,116.073 99.025,117.598 ; v1(100.025,117.598) 99.025,117.598 ; U2_U_m3.9@100.325,116.073 100.325,114.837 100.589,114.573 100.709,114.573 100.884,114.398 v1(100.925,114.398) 100.925,114.439 100.975,114.489 U2_U_m3.8@100.975,116.073 ; U2_U_m4.12@128.375,116.073 128.375,117.335 128.639,117.598 129.025,117.598 ; U2_U_m4.11@129.025,116.073 129.025,117.598 ; v1(130.025,117.598) 129.025,117.598 ; U2_U_m4.9@130.325,116.073 130.325,114.837 130.589,114.573 130.709,114.573 130.884,114.398 v1(130.925,114.398) 130.925,114.439 130.975,114.489 U2_U_m4.8@130.975,116.073 ; U2_U_m5.12@150.375,116.073 150.375,117.335 150.639,117.598 151.025,117.598 ; U2_U_m5.11@151.025,116.073 151.025,117.598 ; v1(152.025,117.598) 151.025,117.598 ; U2_U_m5.9@152.325,116.073 152.325,114.837 152.589,114.573 152.709,114.573 152.884,114.398 v1(152.925,114.398) 152.925,114.439 152.975,114.489 U2_U_m5.8@152.975,116.073